# Altium PCB DIOT_Kasli_Adapter.PcbDoc (part 6 of 10) (continued)
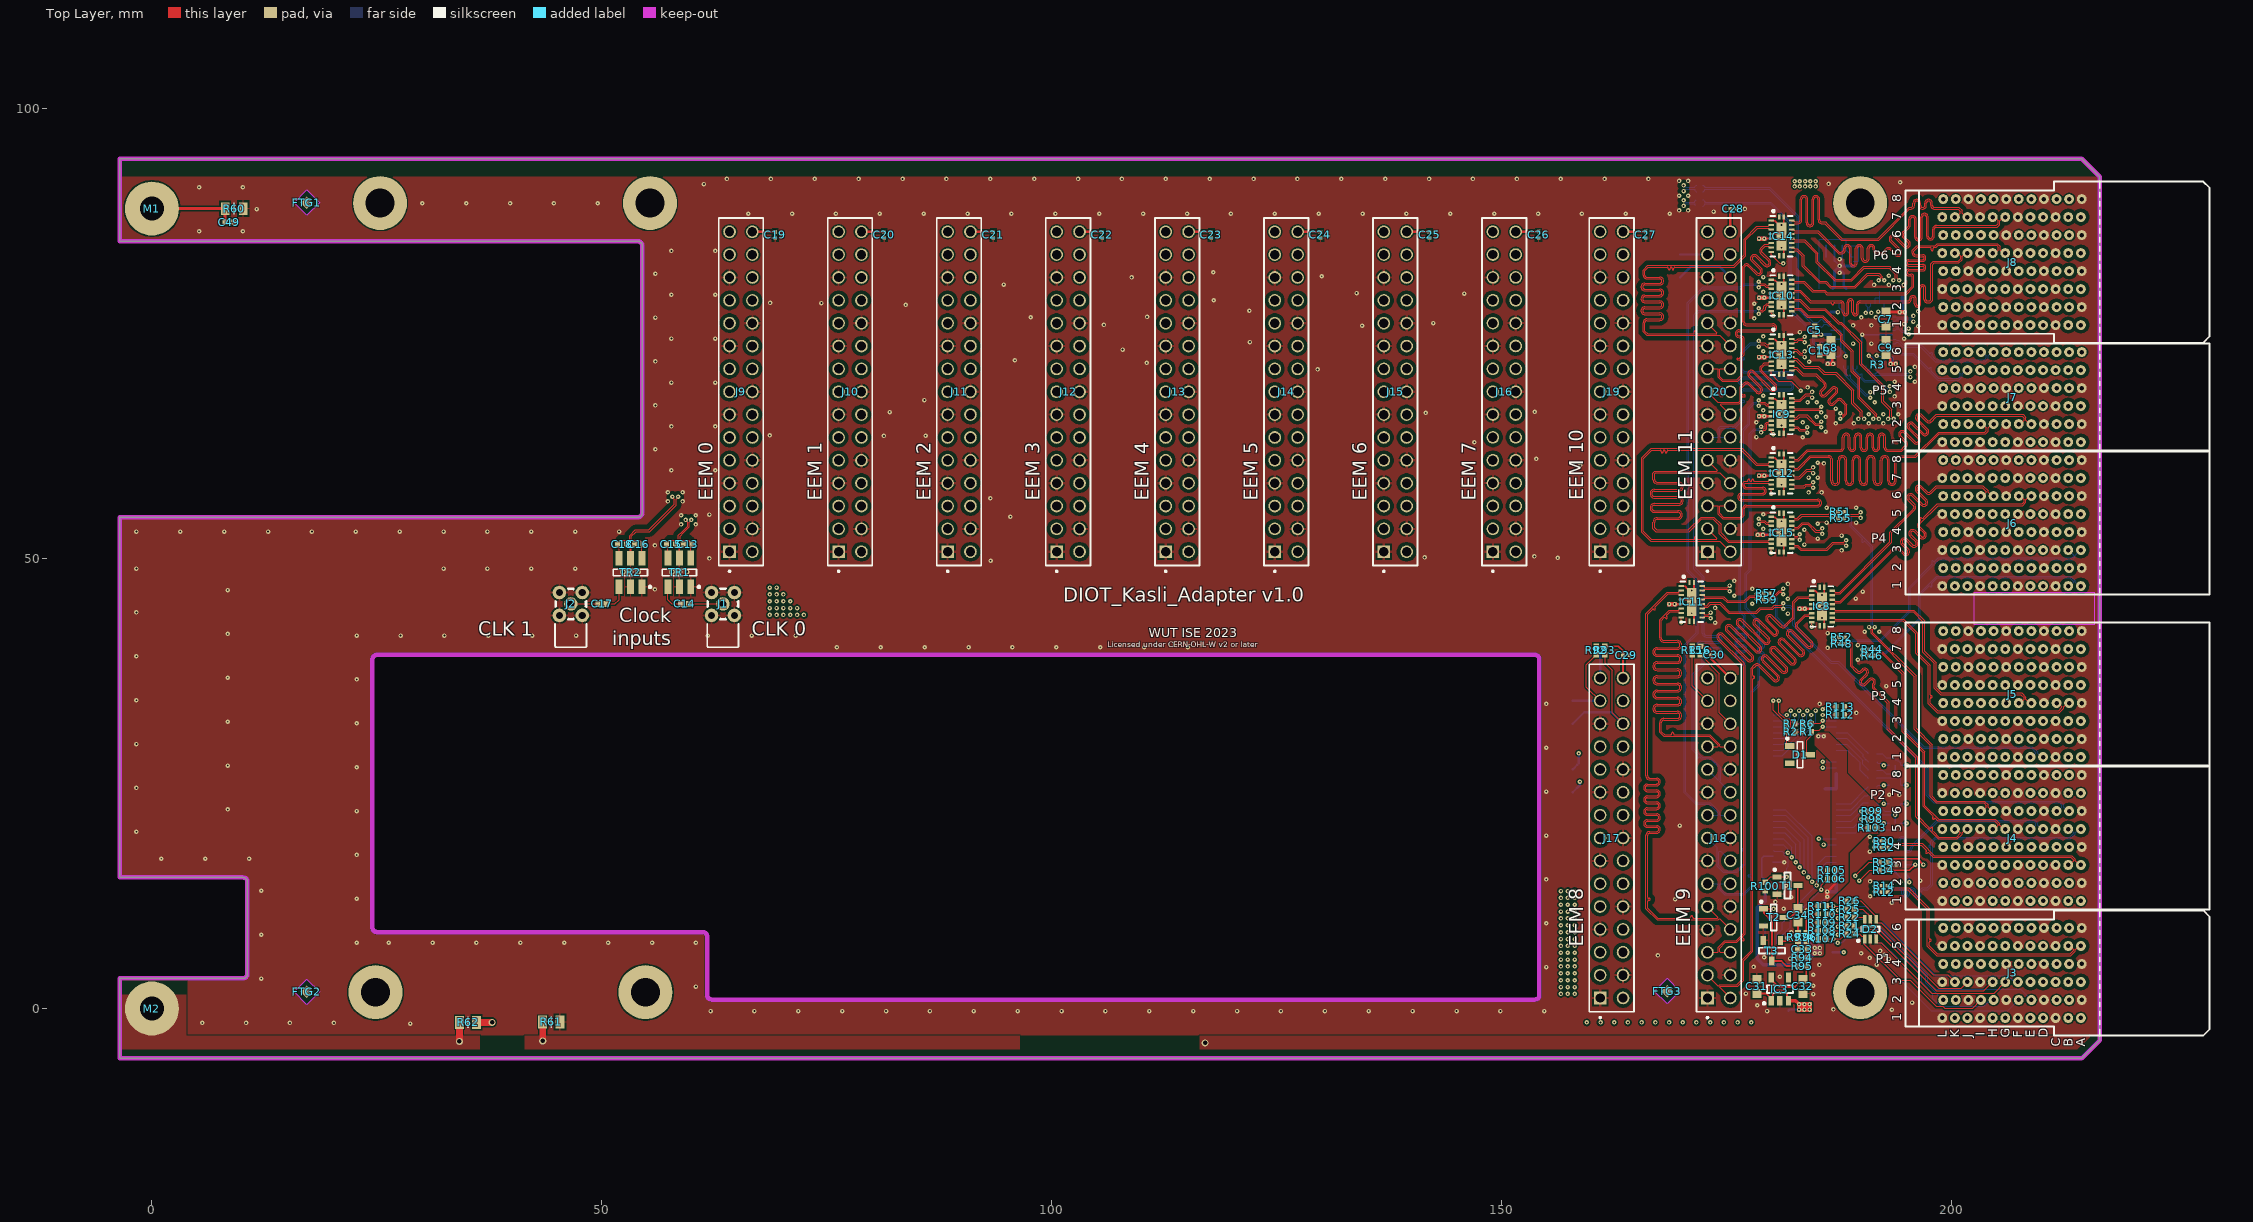
[diagram p0: Top Layer view]
## Nets (pads, with @x,y where several pads share a name; then routed paths per layer and width w, separated by ;. In a path a pad name is that pad's centre, name@x,y a point inside that pad or via, vN(x,y) a via of type N, cw(c..) or ccw(c..) an arc to the next point about the centre after c; other vN are vias at no path point) (continued)
EXT7.LVDS_2_P: J6.K4 J16.8 | length 100.6
  L6 w0.089: J16.8@151.562,58.39 150.51,59.442 150.437,59.442 150.385,59.39 150.385,57.876 150.971,57.29 151.9,57.29 152.114,57.29 ccw(c152.114,57.398) 152.222,57.398 152.222,57.47 cw(c152.33,57.47) 152.438,57.47 152.438,57.398 ccw(c152.546,57.398) 152.546,57.29 152.806,57.29 152.959,57.29 ccw(c152.959,57.525) 153.194,57.525 153.194,58.665 cw(c153.645,58.665) 154.095,58.665 154.095,56.636 ccw(c154.33,56.636) 154.565,56.636 154.565,58.665 cw(c155.016,58.665) 155.467,58.665 155.467,56.636 ccw(c155.702,56.636) 155.937,56.636 155.937,58.665 cw(c156.388,58.665) 156.839,58.665 156.839,56.636 ccw(c157.074,56.636) 157.309,56.636 157.309,58.665 cw(c157.759,58.665) 158.21,58.665 158.21,56.636 ccw(c158.445,56.636) 158.68,56.636 158.68,58.665 cw(c159.131,58.665) 159.582,58.665 159.582,57.525 ccw(c159.817,57.525) 159.817,57.29 160.401,57.29 164.897,57.29 165.049,57.29 ccw(c165.049,57.525) 165.284,57.525 165.284,58.602 cw(c165.735,58.602) 166.186,58.602 166.186,56.661 ccw(c166.421,56.661) 166.656,56.661 166.656,58.602 cw(c167.107,58.602) 167.557,58.602 167.557,56.661 ccw(c167.792,56.661) 168.027,56.661 168.027,58.602 cw(c168.478,58.602) 168.929,58.602 168.929,56.661 ccw(c169.164,56.661) 169.399,56.661 169.399,58.602 cw(c169.85,58.602) 170.301,58.602 170.301,56.661 ccw(c170.536,56.661) 170.771,56.661 170.771,56.839 cw(c171.221,56.839) 171.221,57.29 172.161,57.29 176.687,57.29 177.43,56.547 191.135,56.547 191.287,56.547 ccw(c191.287,56.782) 191.522,56.782 191.522,56.965 cw(c191.973,56.965) 192.424,56.965 192.424,55.795 ccw(c192.659,55.795) 192.894,55.795 192.894,56.809 cw(c193.345,56.809) 193.796,56.809 193.796,56.782 ccw(c194.031,56.782) 194.031,56.547 194.64,56.547 195.86,56.547 198.392,54.015 199.508,54.015 199.877,53.646 199.877,53.341 200.268,52.95 J6.K4@200.469,52.95
EXT7.LVDS_3_N: J8.C4 J16.12 | length 100.5
  L9 w0.089: J16.12@151.562,63.47 150.465,63.47 150.413,63.418 150.413,63.006 150.988,62.431 152.248,62.431 152.571,62.431 ccw(c152.571,62.538) 152.679,62.538 152.679,62.557 cw(c152.787,62.557) 152.895,62.557 152.895,62.538 ccw(c153.003,62.538) 153.003,62.431 153.264,62.431 153.73,62.431 154.26,62.96 154.649,63.349 ccw(c154.483,63.515) 154.649,63.682 154.524,63.807 cw(c154.86,64.144) 154.524,64.481 cw(c154.86,64.144) 155.158,64.516 155.162,64.516 155.952,63.726 ccw(c156.118,63.893) 156.284,63.727 ccw(c156.118,63.893) 156.283,64.059 155.53,64.812 cw(c155.866,65.15) 155.529,65.487 cw(c155.866,65.15) 156.163,65.522 156.167,65.522 156.958,64.732 ccw(c157.123,64.898) 157.289,64.732 ccw(c157.123,64.898) 157.289,65.065 156.536,65.818 cw(c156.872,66.156) 156.535,66.492 cw(c156.872,66.156) 157.169,66.528 157.173,66.528 157.963,65.738 ccw(c158.129,65.904) 158.295,65.738 ccw(c158.129,65.904) 158.295,66.071 158.17,66.195 cw(c158.506,66.533) 158.169,66.87 158.286,66.986 158.54,67.24 164.131,67.24 166.2,69.309 166.317,69.425 ccw(c166.151,69.591) 166.317,69.758 165.573,70.502 cw(c165.909,70.839) 165.572,71.176 cw(c165.909,70.839) 166.206,71.211 166.21,71.211 167.239,70.183 ccw(c167.404,70.35) 167.57,70.183 ccw(c167.404,70.35) 167.57,70.516 166.579,71.508 cw(c166.915,71.845) 166.578,72.182 cw(c166.915,71.845) 167.212,72.217 167.216,72.217 168.244,71.189 ccw(c168.41,71.355) 168.576,71.189 ccw(c168.41,71.355) 168.576,71.522 167.584,72.513 cw(c167.92,72.851) 167.584,73.188 cw(c167.92,72.851) 168.218,73.223 168.222,73.223 169.25,72.195 ccw(c169.416,72.361) 169.582,72.195 ccw(c169.416,72.361) 169.582,72.528 168.59,73.519 cw(c168.926,73.857) 168.589,74.193 cw(c168.926,73.857) 169.223,74.229 169.228,74.229 170.256,73.2 ccw(c170.422,73.367) 170.588,73.201 ccw(c170.422,73.367) 170.588,73.533 169.596,74.525 ; 169.596,74.525 cw(c169.932,74.862) 169.595,75.199 cw(c169.932,74.862) 170.229,75.234 170.233,75.234 171.014,74.454 ; 171.014,74.454 ccw(c171.18,74.62) 171.346,74.454 171.931,75.04 172.458,75.04 176.081,75.04 177.197,76.155 181.17,76.155 184.746,79.731 188.101,79.731 191.013,82.643 195.664,82.643 197.292,81.014 197.688,81.014 197.733,81.014 ccw(c197.733,81.122) 197.841,81.122 197.841,81.257 cw(c197.949,81.257) 198.057,81.257 198.057,81.122 ccw(c198.164,81.122) 198.164,81.014 198.374,81.014 211.947,81.014 212.248,81.315 212.248,81.511 211.809,81.95 J8.C4@211.669,81.95
EXT7.LVDS_3_P: J8.B4 J16.11 | length 100.5
  L9 w0.089: J16.11@149.022,63.47 150.119,63.47 150.171,63.418 150.171,62.906 150.888,62.189 153.83,62.189 154.431,62.79 154.82,63.179 ccw(c154.483,63.515) 154.82,63.852 154.694,63.978 cw(c154.86,64.144) 154.694,64.31 cw(c154.86,64.144) 155.027,64.31 155.78,63.557 ccw(c156.118,63.893) 156.454,63.556 ccw(c156.118,63.893) 156.49,64.19 156.49,64.194 155.7,64.984 cw(c155.866,65.15) 155.7,65.316 cw(c155.866,65.15) 156.032,65.316 156.786,64.562 ccw(c157.123,64.898) 157.46,64.562 ccw(c157.123,64.898) 157.495,65.196 157.495,65.2 156.705,65.99 cw(c156.872,66.156) 156.706,66.322 cw(c156.872,66.156) 157.038,66.322 157.792,65.568 ccw(c158.129,65.904) 158.466,65.567 ccw(c158.129,65.904) 158.501,66.201 158.501,66.206 158.34,66.367 cw(c158.506,66.533) 158.34,66.699 158.457,66.816 158.639,66.998 164.231,66.998 166.371,69.138 166.488,69.255 ccw(c166.151,69.591) 166.488,69.928 165.742,70.673 cw(c165.909,70.839) 165.743,71.005 cw(c165.909,70.839) 166.075,71.005 ; 166.076,71.005 167.067,70.014 ccw(c167.404,70.35) 167.741,70.013 ccw(c167.404,70.35) 167.776,70.647 167.776,70.651 166.748,71.679 cw(c166.915,71.845) 166.748,72.011 cw(c166.915,71.845) 167.081,72.011 ; 167.081,72.01 168.073,71.019 ccw(c168.41,71.355) 168.747,71.019 ccw(c168.41,71.355) 168.782,71.653 168.782,71.657 167.754,72.685 cw(c167.92,72.851) 167.754,73.017 cw(c167.92,72.851) 168.087,73.017 ; 168.087,73.016 169.078,72.025 ccw(c169.416,72.361) 169.753,72.024 ccw(c169.416,72.361) 169.788,72.658 169.788,72.663 168.76,73.691 cw(c168.926,73.857) 168.76,74.023 cw(c168.926,73.857) 169.093,74.022 ; 169.093,74.022 170.084,73.031 ccw(c170.422,73.367) 170.758,73.03 ccw(c170.422,73.367) 170.794,73.664 170.794,73.668 169.765,74.697 cw(c169.932,74.862) 169.766,75.029 cw(c169.932,74.862) 170.098,75.028 ; 170.099,75.028 170.842,74.284 ccw(c171.18,74.62) 171.517,74.284 172.031,74.798 172.589,74.798 176.181,74.798 177.297,75.914 181.27,75.914 184.846,79.489 188.201,79.489 191.113,82.401 195.564,82.401 197.192,80.773 212.047,80.773 212.489,81.215 212.489,81.511 212.929,81.95 J8.B4@213.069,81.95
EXT7.LVDS_4_N: J8.F4 J16.15 | length 100.6
  L9 w0.089: J16.15@149.022,68.55 150.207,67.365 150.207,65.471 150.985,64.694 153.628,64.694 156.431,67.497 156.431,68.226 156.431,68.832 ccw(c155.954,68.832) 155.954,69.309 155.325,69.309 cw(c155.325,69.544) 155.325,69.779 158.002,69.779 ccw(c158.002,70.255) 158.002,70.731 155.325,70.731 cw(c155.325,70.966) 155.325,71.201 158.002,71.201 ccw(c158.002,71.677) 158.002,72.153 155.325,72.153 cw(c155.325,72.388) 155.325,72.623 158.002,72.623 ccw(c158.002,73.1) 158.002,73.576 155.325,73.576 cw(c155.325,73.811) 155.325,74.046 158.002,74.046 ccw(c158.002,74.522) 158.002,74.998 156.666,74.998 cw(c156.666,75.233) 156.431,75.233 156.431,75.398 156.431,75.983 157.727,77.28 166.15,77.28 171.205,82.334 179.068,82.334 180.268,83.534 184.724,83.534 185.151,83.96 196.373,83.96 197.527,82.806 207.816,82.806 208.048,82.574 208.048,82.389 207.609,81.95 J8.F4@207.469,81.95
EXT7.LVDS_4_P: J8.E4 J16.14 | length 100.6
  L9 w0.089: J16.14@151.562,66.01 150.574,66.998 150.501,66.998 150.449,66.946 150.449,65.571 151.085,64.935 152.306,64.935 152.666,64.935 ccw(c152.666,65.043) 152.774,65.043 152.774,65.196 cw(c152.882,65.196) 152.99,65.196 152.99,65.043 ccw(c153.098,65.043) 153.098,64.935 153.358,64.935 153.528,64.935 156.189,67.597 156.189,68.226 156.189,68.832 ccw(c155.954,68.832) 155.954,69.067 155.325,69.067 cw(c155.325,69.544) 155.325,70.02 158.002,70.02 ccw(c158.002,70.255) 158.002,70.49 155.325,70.49 cw(c155.325,70.966) 155.325,71.442 158.002,71.442 ccw(c158.002,71.677) 158.002,71.912 155.325,71.912 cw(c155.325,72.388) 155.325,72.865 158.002,72.865 ccw(c158.002,73.1) 158.002,73.335 155.325,73.335 cw(c155.325,73.811) 155.325,74.287 158.002,74.287 ccw(c158.002,74.522) 158.002,74.757 156.666,74.757 cw(c156.666,75.233) 156.189,75.233 156.189,75.398 156.189,76.083 157.627,77.521 166.05,77.521 171.105,82.575 178.968,82.575 180.168,83.775 184.624,83.775 185.051,84.202 196.473,84.202 197.627,83.047 207.916,83.047 208.289,82.674 208.289,82.389 208.729,81.95 J8.E4@208.869,81.95
EXT7.LVDS_5_N: J8.I4 J16.18 | length 100.5
  L6 w0.089: J16.18@151.562,71.09 150.452,71.09 150.4,71.038 150.4,70.516 151.04,69.876 151.794,69.876 152.013,69.876 ccw(c152.013,69.984) 152.121,69.984 152.121,70.001 cw(c152.229,70.001) 152.336,70.001 152.336,69.984 ccw(c152.444,69.984) 152.444,69.876 152.705,69.876 152.756,69.876 152.908,69.876 ccw(c152.908,70.111) 153.143,70.111 153.143,70.893 cw(c153.594,70.893) 154.045,70.893 154.045,68.625 ccw(c154.28,68.625) 154.515,68.625 154.515,70.893 cw(c154.965,70.893) 155.416,70.893 155.416,68.625 ccw(c155.651,68.625) 155.886,68.625 155.886,70.893 cw(c156.337,70.893) 156.788,70.893 156.788,68.625 ccw(c157.023,68.625) 157.258,68.625 157.258,70.893 cw(c157.709,70.893) 158.159,70.893 158.159,68.625 ccw(c158.394,68.625) 158.629,68.625 158.629,70.893 cw(c159.08,70.893) 159.531,70.893 159.531,70.111 ccw(c159.766,70.111) 159.766,69.876 160.934,69.876 164.109,69.876 166.655,72.422 166.853,72.422 167.005,72.422 ccw(c167.005,72.657) 167.24,72.657 167.24,73.428 cw(c167.691,73.428) 168.142,73.428 168.142,71.558 ccw(c168.377,71.558) 168.612,71.558 168.612,73.428 cw(c169.062,73.428) 169.513,73.428 169.513,71.558 ccw(c169.748,71.558) 169.983,71.558 169.983,73.428 cw(c170.434,73.428) 170.885,73.428 170.885,71.558 ccw(c171.12,71.558) 171.355,71.558 171.355,71.971 cw(c171.806,71.971) 171.806,72.422 172.472,72.422 176.828,72.422 177.57,71.68 179.656,71.68 180.069,72.093 180.069,74.069 185.593,79.593 195.521,79.593 196.962,81.034 197.51,81.034 197.555,81.034 ccw(c197.555,81.142) 197.663,81.142 197.663,81.242 cw(c197.771,81.242) 197.879,81.242 197.879,81.142 ccw(c197.987,81.142) 197.987,81.034 198.196,81.034 203.506,81.034 203.861,81.388 203.861,81.534 203.445,81.95 J8.I4@203.269,81.95
EXT7.LVDS_5_P: J8.H4 J16.17 | length 100.5
  L6 w0.089: J16.17@149.022,71.09 150.132,71.09 150.184,71.038 150.184,70.427 150.951,69.66 152.756,69.66 152.908,69.66 ccw(c152.908,70.111) 153.359,70.111 153.359,70.893 cw(c153.594,70.893) 153.829,70.893 153.829,68.625 ccw(c154.28,68.625) 154.73,68.625 154.73,70.893 cw(c154.965,70.893) 155.2,70.893 155.2,68.625 ccw(c155.651,68.625) 156.102,68.625 156.102,70.893 cw(c156.337,70.893) 156.572,70.893 156.572,68.625 ccw(c157.023,68.625) 157.474,68.625 157.474,70.893 cw(c157.709,70.893) 157.944,70.893 157.944,68.625 ccw(c158.394,68.625) 158.845,68.625 158.845,70.893 cw(c159.08,70.893) 159.315,70.893 159.315,70.111 ccw(c159.766,70.111) 159.766,69.66 160.934,69.66 164.199,69.66 166.745,72.206 166.853,72.206 167.005,72.206 ccw(c167.005,72.657) 167.456,72.657 167.456,73.428 cw(c167.691,73.428) 167.926,73.428 167.926,71.558 ccw(c168.377,71.558) 168.827,71.558 168.827,73.428 cw(c169.062,73.428) 169.297,73.428 169.297,71.558 ccw(c169.748,71.558) 170.199,71.558 170.199,73.428 cw(c170.434,73.428) 170.669,73.428 170.669,71.558 ccw(c171.12,71.558) 171.571,71.558 171.571,71.971 cw(c171.806,71.971) 171.806,72.206 172.472,72.206 176.738,72.206 177.48,71.464 179.746,71.464 180.285,72.004 180.285,73.98 185.683,79.377 195.611,79.377 197.051,80.818 203.596,80.818 204.077,81.299 204.077,81.561 204.466,81.95 J8.H4@204.669,81.95
EXT7.LVDS_6_N: J8.L4 J16.21 | length 100.6
  L6 w0.089: J16.21@149.022,76.17 150.19,75.002 150.19,74.751 150.164,74.724 150.164,73.182 151.09,72.255 152.806,72.255 152.959,72.255 ccw(c152.959,72.706) 153.41,72.706 153.41,74.936 cw(c153.645,74.936) 153.88,74.936 153.88,72.255 ccw(c154.33,72.255) 154.781,72.255 154.781,74.936 cw(c155.016,74.936) 155.251,74.936 155.251,72.255 ccw(c155.702,72.255) 156.153,72.255 156.153,74.936 cw(c156.388,74.936) 156.623,74.936 156.623,72.255 ccw(c157.074,72.255) 157.524,72.255 157.524,74.936 cw(c157.759,74.936) 157.994,74.936 157.994,72.255 ccw(c158.445,72.255) 158.896,72.255 158.896,74.936 cw(c159.131,74.936) 159.366,74.936 159.366,72.706 ccw(c159.817,72.706) 159.817,72.255 160.452,72.255 164.406,72.255 166.912,74.761 167.157,74.761 167.31,74.761 ccw(c167.31,75.212) 167.761,75.212 167.761,76.689 cw(c167.996,76.689) 168.231,76.689 168.231,75.009 ccw(c168.681,75.009) 169.132,75.009 169.132,76.689 cw(c169.367,76.689) 169.602,76.689 169.602,75.009 ccw(c170.053,75.009) 170.504,75.009 170.504,76.679 cw(c170.739,76.679) 170.974,76.679 170.974,75.212 ccw(c171.425,75.212) 171.425,74.761 171.958,74.761 176.99,74.761 177.835,75.606 180.425,75.606 185.182,80.363 189.204,80.363 191.689,82.848 199.263,82.848 199.661,82.45 199.661,82.376 199.234,81.95 J8.L4@199.069,81.95
EXT7.LVDS_6_P: J8.K4 J16.20 | length 100.6
  L6 w0.089: J16.20@151.562,73.63 150.505,74.687 150.432,74.687 150.38,74.635 150.38,73.271 151.18,72.471 151.943,72.471 152.114,72.471 ccw(c152.114,72.579) 152.222,72.579 152.222,72.65 cw(c152.33,72.65) 152.438,72.65 152.438,72.579 ccw(c152.546,72.579) 152.546,72.471 152.806,72.471 152.959,72.471 ccw(c152.959,72.706) 153.194,72.706 153.194,74.936 cw(c153.645,74.936) 154.095,74.936 154.095,72.255 ccw(c154.33,72.255) 154.565,72.255 154.565,74.936 cw(c155.016,74.936) 155.467,74.936 155.467,72.255 ccw(c155.702,72.255) 155.937,72.255 155.937,74.936 cw(c156.388,74.936) 156.839,74.936 156.839,72.255 ccw(c157.074,72.255) 157.309,72.255 157.309,74.936 cw(c157.759,74.936) 158.21,74.936 158.21,72.255 ccw(c158.445,72.255) 158.68,72.255 158.68,74.936 cw(c159.131,74.936) 159.582,74.936 159.582,72.706 ccw(c159.817,72.706) 159.817,72.471 160.452,72.471 164.317,72.471 166.823,74.977 167.157,74.977 167.31,74.977 ccw(c167.31,75.212) 167.545,75.212 167.545,76.689 cw(c167.996,76.689) 168.446,76.689 168.446,75.009 ccw(c168.681,75.009) 168.916,75.009 168.916,76.689 cw(c169.367,76.689) 169.818,76.689 169.818,75.009 ccw(c170.053,75.009) 170.288,75.009 170.288,76.679 cw(c170.739,76.679) 171.19,76.679 171.19,75.212 ccw(c171.425,75.212) 171.425,74.977 171.958,74.977 176.901,74.977 177.746,75.822 180.335,75.822 185.093,80.579 189.115,80.579 191.599,83.064 199.352,83.064 199.877,82.539 199.877,82.376 200.303,81.95 J8.K4@200.469,81.95
EXT7.LVDS_7_N: J16.24 R52.2 R53.1 | length 67.7
  Top Layer w0.089: v1(186.726,41.213) 186.757,41.213 186.976,40.995 187.244,40.995 187.297,41.047 187.297,41.09 187.462,41.255 R52.2@187.482,41.255
  L3 w0.089: J16.24@151.562,78.71 150.465,78.71 150.413,78.658 150.413,78.266 151.081,77.598 152.266,77.598 152.454,77.41 152.679,77.184 ccw(c152.756,77.26) 152.832,77.184 152.886,77.238 cw(c152.963,77.162) 153.039,77.238 cw(c152.963,77.162) 153.039,77.085 152.985,77.031 ccw(c153.061,76.955) 152.985,76.879 153.169,76.694 156.413,73.451 156.413,53.101 168.493,41.02 186.468,41.02 186.661,41.213 v1(186.726,41.213)
  Bottom Layer w0.089: v1(186.726,41.213) 186.757,41.213 186.976,40.995 187.244,40.995 187.297,41.047 187.297,41.09 187.462,41.255 R53.1@187.482,41.255
EXT7.LVDS_7_P: J16.23 R48.2 R49.1 | length 67.7
  Top Layer w0.089: v1(186.726,40.586) 186.758,40.586 186.976,40.804 187.244,40.804 187.297,40.752 187.297,40.71 187.462,40.544 R48.2@187.482,40.544
  L3 w0.089: J16.23@149.022,78.71 150.119,78.71 150.171,78.658 150.171,78.166 150.981,77.356 152.166,77.356 156.171,73.351 156.171,53.001 168.393,40.779 186.468,40.779 186.661,40.586 v1(186.726,40.586)
  Bottom Layer w0.089: v1(186.726,40.586) 186.757,40.586 186.976,40.805 187.244,40.805 187.297,40.752 187.297,40.71 187.462,40.544 R49.1@187.482,40.544
EXT8.LVDS_0_N: J5.H3 J17.3 | length 76.8
  L9 w0.089: J17.3@160.947,3.71 162.094,2.563 168.704,2.563 170.231,4.089 170.231,4.978 170.231,5.144 ccw(c169.996,5.144) 169.996,5.378 169.501,5.378 cw(c169.501,5.855) 169.501,6.331 170.885,6.331 ccw(c170.885,6.566) 170.885,6.801 169.501,6.801 cw(c169.501,7.277) 169.501,7.753 170.885,7.753 ccw(c170.885,7.988) 170.885,8.223 169.501,8.223 cw(c169.501,8.7) 169.501,9.176 170.885,9.176 ccw(c170.885,9.411) 170.885,9.646 169.501,9.646 cw(c169.501,10.122) 169.501,10.598 170.852,10.598 ccw(c170.852,10.833) 170.852,11.068 170.707,11.068 cw(c170.707,11.544) 170.231,11.544 170.231,12.148 170.231,13.2 172.217,15.187 176.44,15.187 179.524,18.271 182.302,18.271 183.987,19.956 185.769,19.956 191.861,26.048 192.33,26.048 197.37,31.088 204.798,31.088 205.148,31.437 205.148,31.511 204.709,31.95 J5.H3@204.569,31.95
EXT8.LVDS_0_P: J5.G3 J17.2 | length 76.7
  L9 w0.089: J17.2@163.487,1.17 162.461,2.196 162.461,2.27 162.513,2.322 168.804,2.322 170.472,3.989 170.472,4.978 170.472,5.144 ccw(c169.996,5.144) 169.996,5.62 169.501,5.62 cw(c169.501,5.855) 169.501,6.09 170.885,6.09 ccw(c170.885,6.566) 170.885,7.042 169.501,7.042 cw(c169.501,7.277) 169.501,7.512 170.885,7.512 ccw(c170.885,7.988) 170.885,8.465 169.501,8.465 cw(c169.501,8.7) 169.501,8.934 170.885,8.934 ccw(c170.885,9.411) 170.885,9.887 169.501,9.887 cw(c169.501,10.122) 169.501,10.357 170.852,10.357 ccw(c170.852,10.833) 170.852,11.309 170.707,11.309 cw(c170.707,11.544) 170.472,11.544 170.472,12.148 170.472,13.1 172.317,14.945 176.54,14.945 179.624,18.03 182.402,18.03 184.087,19.714 185.869,19.714 191.961,25.806 192.43,25.806 197.47,30.846 204.898,30.846 205.389,31.337 205.389,31.511 205.829,31.95 J5.G3@205.969,31.95
EXT8.LVDS_1_N: J5.K3 J17.6 | length 76.7
  L9 w0.089: J17.6@163.487,6.25 162.39,6.25 162.338,6.302 162.338,6.646 163.035,7.344 164.516,7.344 164.776,7.344 cw(c164.776,7.236) 164.884,7.236 164.884,7.098 ccw(c164.992,7.098) 165.1,7.098 165.1,7.236 cw(c165.208,7.236) 165.208,7.344 165.456,7.344 165.724,7.344 166.256,7.876 166.256,7.998 166.256,8.529 cw(c166.491,8.529) 166.491,8.764 167.919,8.764 ccw(c167.919,9.24) 167.919,9.717 165.602,9.717 cw(c165.602,9.952) 165.602,10.187 167.919,10.187 ccw(c167.919,10.663) 167.919,11.139 165.602,11.139 cw(c165.602,11.374) 165.602,11.609 167.919,11.609 ccw(c167.919,12.085) 167.919,12.561 165.602,12.561 cw(c165.602,12.796) 165.602,13.031 167.919,13.031 ccw(c167.919,13.508) 167.919,13.984 166.491,13.984 cw(c166.491,14.219) 166.256,14.219 166.256,14.384 166.256,14.42 166.619,14.783 169.169,14.783 171.905,17.519 176.299,17.519 177.808,19.029 182.129,19.029 183.8,20.7 185.051,20.7 197.199,32.848 197.46,32.848 197.72,32.848 cw(c197.72,32.74) 197.828,32.74 197.828,32.725 ccw(c197.936,32.725) 198.044,32.725 198.044,32.74 cw(c198.152,32.74) 198.152,32.848 198.349,32.848 200.659,32.848 200.948,32.559 200.948,32.389 200.509,31.95 J5.K3@200.369,31.95
EXT8.LVDS_1_P: J5.J3 J17.5 | length 76.7
  L9 w0.089: J17.5@160.947,6.25 162.044,6.25 162.096,6.302 162.096,6.746 162.935,7.585 165.624,7.585 166.015,7.976 166.015,7.998 166.015,8.529 cw(c166.491,8.529) 166.491,9.005 167.919,9.005 ccw(c167.919,9.24) 167.919,9.475 165.602,9.475 cw(c165.602,9.952) 165.602,10.428 167.919,10.428 ccw(c167.919,10.663) 167.919,10.898 165.602,10.898 cw(c165.602,11.374) 165.602,11.85 167.919,11.85 ccw(c167.919,12.085) 167.919,12.32 165.602,12.32 cw(c165.602,12.796) 165.602,13.273 167.919,13.273 ccw(c167.919,13.508) 167.919,13.743 166.491,13.743 cw(c166.491,14.219) 166.015,14.219 166.015,14.384 166.015,14.52 166.519,15.024 169.069,15.024 171.805,17.761 176.199,17.761 177.708,19.27 182.029,19.27 183.7,20.942 184.951,20.942 197.099,33.089 200.759,33.089 201.189,32.659 201.189,32.389 201.629,31.95 J5.J3@201.769,31.95
EXT8.LVDS_2_N: J5.B1 J17.9 | length 76.6
  L6 w0.089: J17.9@160.947,11.33 162.16,10.117 162.411,10.117 162.437,10.144 163.984,10.144 165.97,12.129 166.538,12.697 ccw(c166.417,12.819) 166.538,12.94 166.394,13.083 cw(c166.668,13.357) 166.394,13.631 cw(c166.668,13.357) 166.942,13.631 167.9,12.673 ccw(c168.022,12.794) 168.143,12.673 ccw(c168.022,12.794) 168.143,12.915 167.184,13.874 cw(c167.458,14.148) 167.184,14.421 cw(c167.458,14.148) 167.732,14.421 168.691,13.463 ccw(c168.812,13.584) 168.933,13.463 ccw(c168.812,13.584) 168.933,13.705 167.975,14.664 cw(c168.249,14.938) 167.975,15.212 cw(c168.249,14.938) 168.522,15.212 169.481,14.253 ccw(c169.602,14.375) 169.723,14.253 ccw(c169.602,14.374) 169.723,14.496 168.765,15.454 cw(c169.039,15.728) 168.765,16.002 cw(c169.039,15.728) 169.313,16.002 170.271,15.044 ccw(c170.392,15.165) 170.514,15.044 ccw(c170.392,15.165) 170.514,15.286 170.094,15.705 cw(c170.368,15.98) 170.094,16.253 170.202,16.361 171.608,17.767 175.908,17.767 183.388,25.248 183.388,27.009 184.974,28.596 195.978,28.596 197.434,27.14 213.358,27.14 213.561,27.342 213.561,27.534 213.145,27.95 J5.B1@212.969,27.95
EXT8.LVDS_2_P: J5.A1 J17.8 | length 76.7
  L6 w0.089: J17.8@163.487,8.79 162.475,9.802 162.475,9.876 162.527,9.928 164.074,9.928 164.233,10.087 164.417,10.271 cw(c164.493,10.195) 164.57,10.271 ccw(c164.646,10.348) 164.723,10.271 ccw(c164.646,10.348) 164.723,10.424 cw(c164.799,10.5) 164.722,10.577 164.843,10.697 166.122,11.976 166.691,12.545 ccw(c166.417,12.819) 166.691,13.092 166.547,13.236 cw(c166.668,13.357) 166.547,13.479 cw(c166.668,13.357) 166.789,13.479 167.748,12.52 ccw(c168.022,12.794) 168.296,12.52 ccw(c168.022,12.794) 168.296,13.068 167.337,14.026 cw(c167.458,14.148) 167.337,14.269 cw(c167.458,14.148) 167.58,14.269 168.538,13.31 ccw(c168.812,13.584) 169.086,13.31 ccw(c168.812,13.584) 169.086,13.858 168.127,14.817 cw(c168.249,14.938) 168.127,15.059 cw(c168.249,14.938) 168.37,15.059 169.328,14.101 ccw(c169.602,14.375) 169.876,14.101 ccw(c169.602,14.374) 169.876,14.648 168.918,15.607 cw(c169.039,15.728) 168.918,15.849 cw(c169.039,15.728) 169.16,15.849 170.119,14.891 ccw(c170.392,15.165) 170.666,14.891 ccw(c170.392,15.165) 170.666,15.439 170.247,15.858 cw(c170.368,15.98) 170.247,16.101 170.354,16.209 171.697,17.551 175.997,17.551 183.604,25.158 183.604,26.92 185.064,28.38 195.888,28.38 197.345,26.924 213.448,26.924 213.777,27.253 213.777,27.558 214.169,27.95 J5.A1@214.369,27.95
EXT8.LVDS_3_N: J5.B7 J17.12 | length 76.7
  L9 w0.089: J17.12@163.487,13.87 162.39,13.87 162.338,13.922 162.338,14.42 161.548,15.21 160.464,15.21 159.812,15.863 159.812,19.452 160.367,20.008 164.323,20.008 164.499,20.184 164.683,20.368 cw(c164.76,20.292) 164.836,20.368 164.952,20.252 ccw(c165.029,20.328) 165.105,20.252 ccw(c165.029,20.328) 165.105,20.405 164.989,20.521 cw(c165.065,20.597) 164.989,20.674 165.172,20.857 166.939,22.624 168.224,22.624 169.608,22.624 cw(c169.608,22.389) 169.843,22.389 169.843,22.035 ccw(c170.32,22.035) 170.796,22.035 170.796,22.389 cw(c171.031,22.389) 171.031,22.624 171.196,22.624 184.326,22.624 196.369,34.667 196.369,37.837 197.615,39.084 197.615,39.103 197.615,39.364 cw(c197.723,39.364) 197.723,39.472 ccw(c197.723,39.58) 197.723,39.688 cw(c197.723,39.796) 197.615,39.796 197.615,40.03 197.615,40.096 198.343,40.824 213.187,40.824 213.548,40.463 213.548,40.389 213.109,39.95 J5.B7@212.969,39.95
EXT8.LVDS_3_P: J5.A7 J17.11 | length 76.7
  L9 w0.089: J17.11@160.947,13.87 162.044,13.87 162.096,13.922 162.096,14.321 161.448,14.969 160.364,14.969 159.57,15.763 159.57,19.552 160.267,20.249 164.223,20.249 166.839,22.866 168.224,22.866 169.608,22.866 cw(c169.608,22.389) 170.085,22.389 170.085,22.035 ccw(c170.32,22.035) 170.555,22.035 170.555,22.389 cw(c171.031,22.389) 171.031,22.866 171.196,22.866 184.226,22.866 196.127,34.767 196.127,37.937 197.374,39.184 197.374,40.196 198.243,41.065 213.287,41.065 213.789,40.563 213.789,40.389 214.229,39.95 J5.A7@214.369,39.95
EXT8.LVDS_4_N: J5.E7 J17.15 | length 76.7
  L9 w0.089: J17.15@160.947,18.95 162.099,17.798 164.287,17.798 164.452,17.798 ccw(c164.452,18.033) 164.687,18.033 164.687,18.971 cw(c165.164,18.971) 165.64,18.971 165.64,16.641 ccw(c165.875,16.641) 166.11,16.641 166.11,18.971 cw(c166.586,18.971) 167.062,18.971 167.062,16.641 ccw(c167.297,16.641) 167.532,16.641 167.532,18.971 cw(c168.008,18.971) 168.485,18.971 168.485,16.641 ccw(c168.72,16.641) 168.954,16.641 168.954,17.322 cw(c169.431,17.322) 169.431,17.798 169.588,17.798 170.002,18.212 172.178,20.387 182.083,20.387 183.702,22.006 184.617,22.006 197.369,34.759 197.369,38.051 198.407,39.088 208.999,39.088 209.348,39.437 209.348,39.511 208.909,39.95 J5.E7@208.769,39.95
EXT8.LVDS_4_P: J5.D7 J17.14 | length 76.7
  L9 w0.089: J17.14@163.487,16.41 162.466,17.431 162.466,17.504 162.518,17.557 164.287,17.557 164.452,17.557 ccw(c164.452,18.033) 164.929,18.033 164.929,18.971 cw(c165.164,18.971) 165.398,18.971 165.398,16.641 ccw(c165.875,16.641) 166.351,16.641 166.351,18.971 cw(c166.586,18.971) 166.821,18.971 166.821,16.641 ccw(c167.297,16.641) 167.773,16.641 167.773,18.971 cw(c168.008,18.971) 168.243,18.971 168.243,16.641 ccw(c168.72,16.641) 169.196,16.641 169.196,17.322 cw(c169.431,17.322) 169.431,17.557 169.688,17.557 170.002,17.871 172.278,20.146 182.183,20.146 183.802,21.765 184.717,21.765 197.611,34.659 197.611,37.951 198.507,38.847 209.099,38.847 209.589,39.337 209.589,39.511 210.029,39.95 J5.D7@210.169,39.95
EXT8.LVDS_5_N: J6.H5 J17.18 | length 76.8
  L9 w0.089: J17.18@163.487,21.49 162.39,21.49 162.338,21.542 162.338,22.125 161.614,22.848 160.459,22.848 159.759,23.548 159.759,27.037 160.363,27.641 164.821,27.641 165.081,27.641 cw(c165.081,27.533) 165.189,27.533 165.189,27.368 ccw(c165.297,27.368) 165.405,27.368 165.405,27.533 cw(c165.513,27.533) 165.513,27.641 165.71,27.641 184.085,27.641 184.46,28.016 186.417,28.016 194.926,36.524 194.926,38.482 195.356,38.912 195.356,52.752 197.235,54.631 197.419,54.815 cw(c197.496,54.739) 197.572,54.815 ccw(c197.648,54.892) 197.725,54.815 ccw(c197.648,54.892) 197.725,54.968 cw(c197.801,55.044) 197.725,55.121 197.857,55.254 198.388,55.784 204.827,55.784 205.148,55.463 205.148,55.389 204.709,54.95 J6.H5@204.569,54.95
EXT8.LVDS_5_P: J6.G5 J17.17 | length 76.7
  L9 w0.089: J17.17@160.947,21.49 162.044,21.49 162.096,21.542 162.096,22.025 161.515,22.607 160.359,22.607 159.518,23.448 159.518,27.137 160.263,27.883 183.985,27.883 184.36,28.257 186.317,28.257 194.684,36.624 194.684,38.582 195.115,39.012 195.115,52.852 198.288,56.025 204.927,56.025 205.389,55.563 205.389,55.389 205.829,54.95 J6.G5@205.969,54.95